# Altium PCB Thermostat_EEM.PCBDOC (part 8 of 10) (continued)
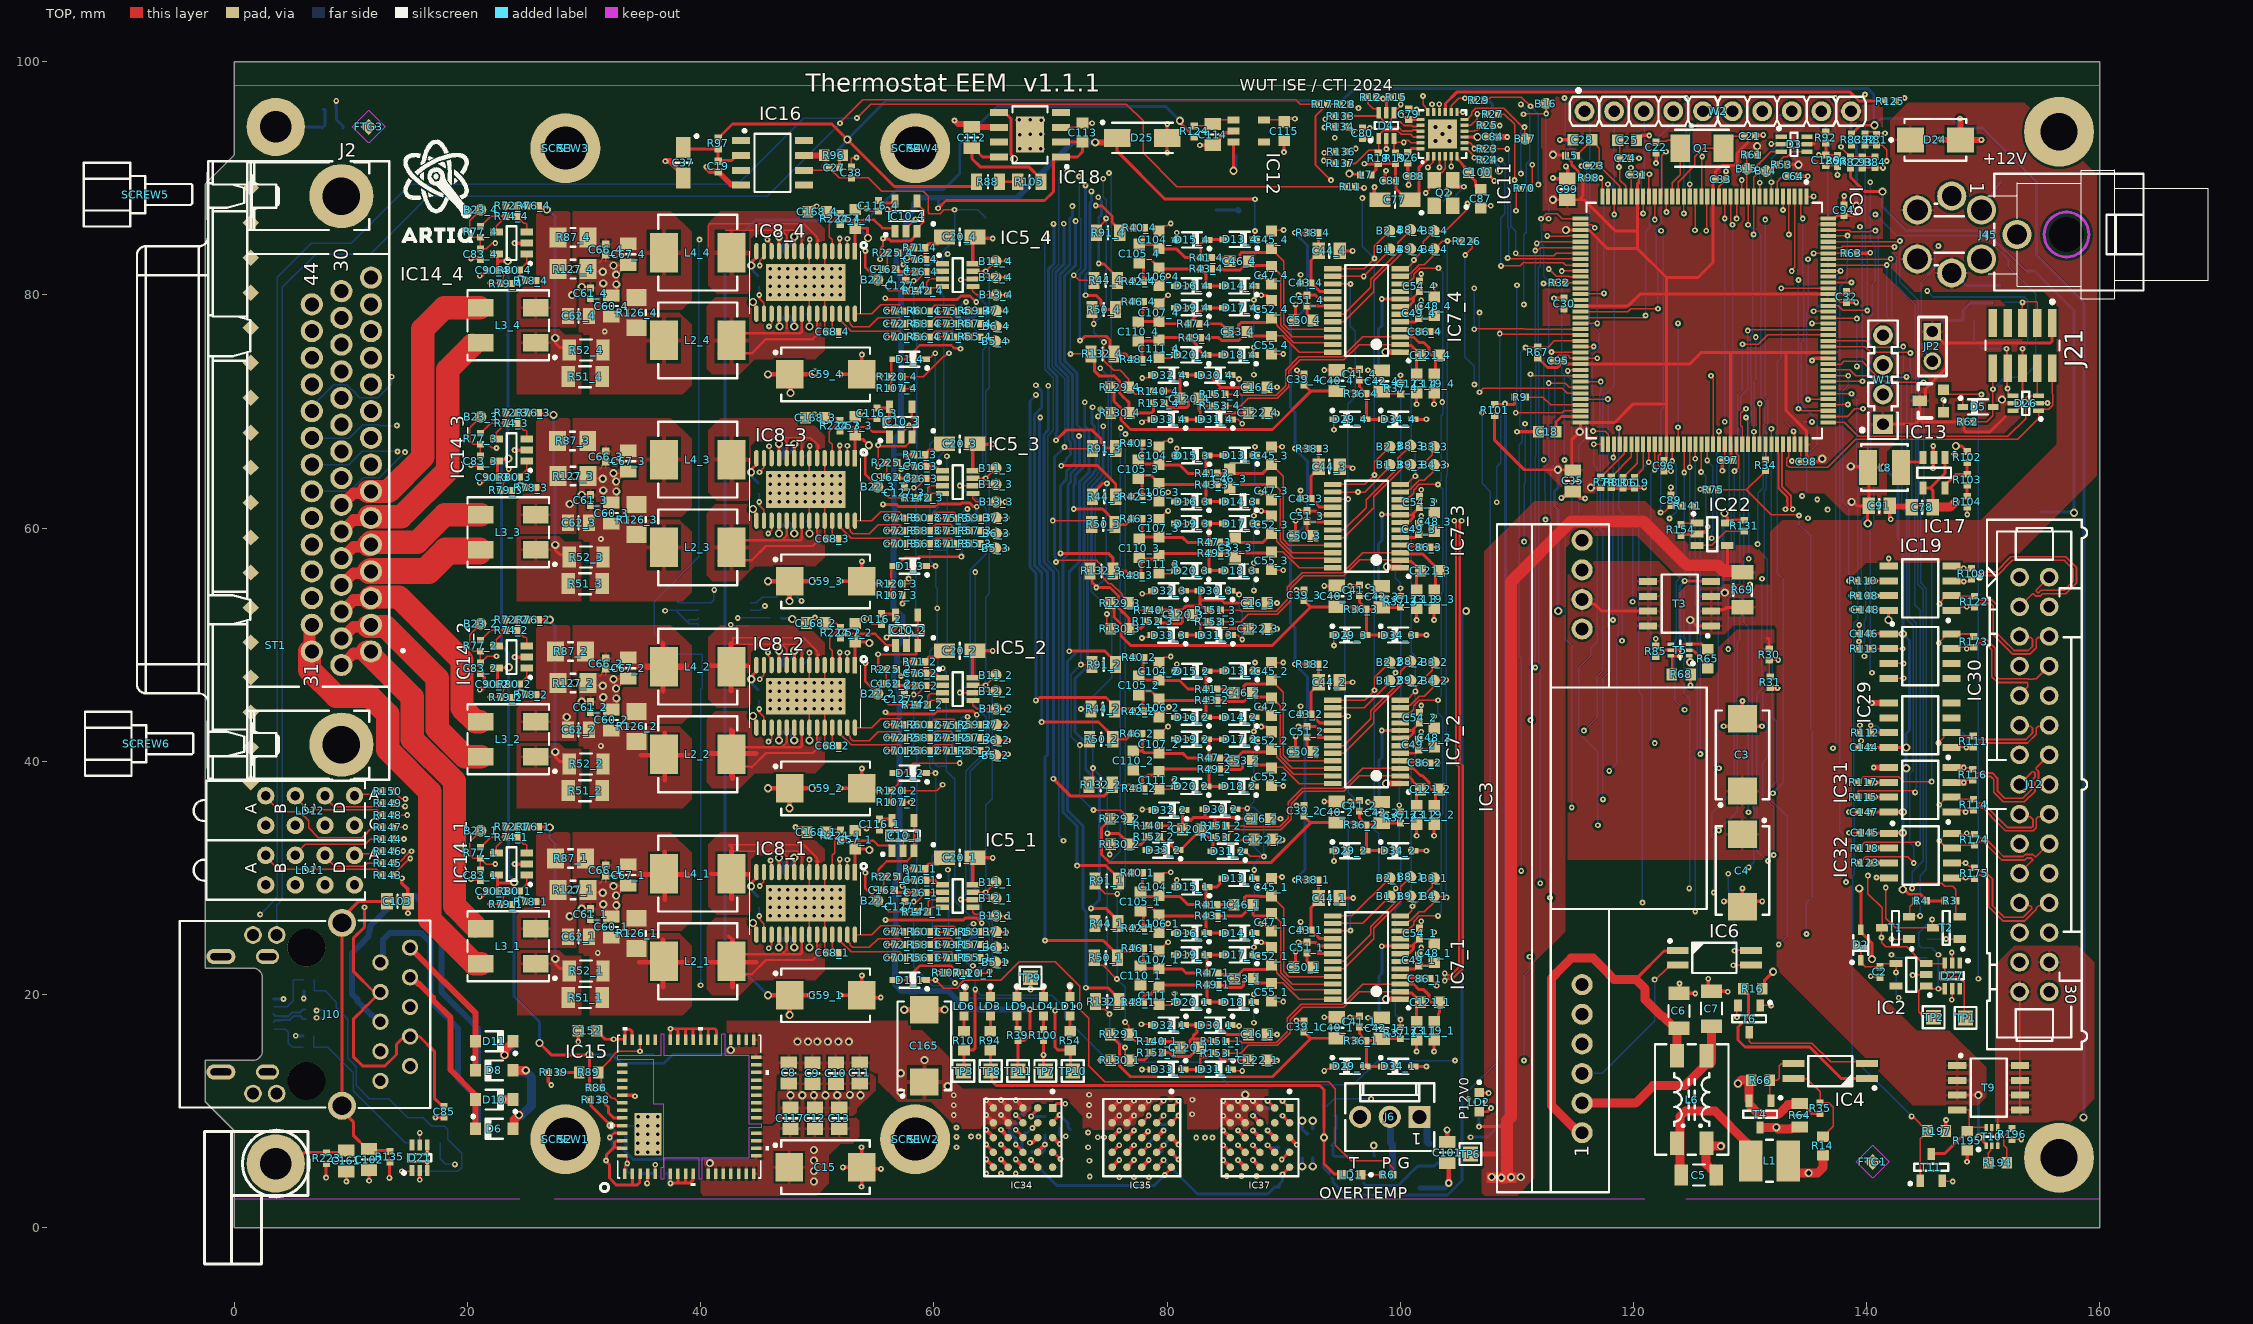
[diagram p0: TOP view]
## Nets (pads, with @x,y where several pads share a name; then routed paths per layer and width w, separated by ;. In a path a pad name is that pad's centre, name@x,y a point inside that pad or via, vN(x,y) a via of type N, cw(c..) or ccw(c..) an arc to the next point about the centre after c; other vN are vias at no path point) (continued)
  TOP w0.35: v1(64.491,5.867) IC34.E5@65.102,5.259 ; v1(65.761,5.867) IC34.D5@66.372,5.259 ; v1(67.031,5.867) IC34.C5@67.642,5.259 ; IC34.A3@70.182,7.799 v1(70.792,7.192) ; IC35.E5@75.29,5.2 v1(75.898,5.81) ; IC35.D5@76.56,5.2 v1(77.168,5.81) ; IC35.C5@77.83,5.2 v1(78.438,5.81) ; IC35.A3@80.37,7.74 v1@80.903,7.21 ; v1(84.817,5.803) IC37.E5@85.428,5.196 ; v1(86.087,5.803) IC37.D5@86.698,5.196 ; v1(87.357,5.803) IC37.C5@87.968,5.196 ; IC37.A3@90.508,7.736 v1(91.118,7.129)
  TOP w0.4: C101.2@104.018,5.553 104.17,5.402 v5@104.17,3.839 ; TP6.1@106.017,6.325 108.203,6.325 108.245,6.282
  TOP w1.016: v2(108.673,4.293) 109.105,4.293 109.156,4.343 109.156,8.652 109.156,9.172 109.498,9.514 109.498,55.424 114.662,60.588 120.819,60.588 124.582,56.825 127.244,56.825 127.742,56.328 129.233,56.328 R69.2@129.35,56.211
  L2 w0.254: v2(109.508,4.34) 110.727,3.121 119.346,3.121 126.994,10.77 146.811,10.77 148.309,9.271 153.294,9.271 153.495,9.472 v2(158.601,9.472)
  L2 w0.5: v2(107.845,4.35) 108.004,4.191 108.721,4.191 108.673,4.239 v2(108.673,4.293)
  L2 w0.889: v2(49.71,6.668) 52.253,6.668 55.649,3.272 ; 75.087,5.171 75.087,4.261 76.076,3.272 107.308,3.272 107.829,3.793 107.829,4.077 107.943,4.191 108.721,4.191 108.721,4.436 v2@108.728,4.443
  BOT w0.254: v2@32.272,8.687 32.959,8 C14.2@33.65,8 33.603,7.953 33.603,6.84 33.438,6.675 33.438,6.635 34.231,5.842 35.822,5.842 35.898,5.918 40.435,5.918 40.791,5.563 v2(40.791,5.549) ; TP4.1@50.427,91 50.427,91.088 52.582,93.243 v2(52.582,93.332) 55.923,96.672 95.003,96.672 95.435,97.104 95.477,97.104 96.069,97.696 140.106,97.696 140.61,97.192 140.61,94.614 v2(140.667,94.556) 141.231,95.12 147.292,95.12 148.107,94.305 149.93,94.305 154.585,89.65 154.585,83.438 158.66,79.364 158.66,9.531 v2(158.601,9.472) ; v1(106.757,8.677) 106.757,9.587 R90.2@106.775,9.605
  BOT w0.3: v2@91.593,5.233 C166.2@91.593,5.953 ; v2(92.503,5.27) C166.2@92.503,5.99
  BOT w0.4: T7.2@101.694,3.407 103.801,3.407 104.165,3.772 v5(104.165,3.834) 104.19,3.859 104.19,4.594 R13.2@104.215,4.619
  other v1: 75.905,4.337 77.168,4.337 78.445,4.337 73.366,4.396 85.126,4.431 86.389,4.431 87.666,4.431 64.491,4.654 65.761,4.654 67.031,4.654 73.341,5.751 80.981,7.132
  other v2: 49.71,3.968 110.336,4.35 49.71,4.868 91.593,5.27 49.71,5.768
P12V0_EEM: J12.28 J12.29 T9.5 T9.6 T9.7 T9.8 T10.4 | length 11.2
  TOP w0.127: T10.4@151.249,8.602 151.249,9.016 151.227,9.038 151.227,9.143 151.249,9.165 151.249,9.633 ; J12.29@153.114,20.238 153.114,10.162 T9.5@153.17,10.107
P12V0_IN: B24.1 D24.1 IC22.5 J4.3 J5.3 J5.4 R69.1 R131.2 T3.1 T3.2 T3.3 T5.1 T9.1 T9.2 T9.3 T10.1 | length 29.5
  TOP w0.254: T5.1@124.79,49.05 124.852,49.05 124.875,49.027 124.833,49.027 124.833,48.546 v2(124.875,48.504) ; v2(124.875,52.124) 124.904,52.124 125.406,51.621 T3.1@126.665,51.621 ; T3.2@126.665,52.891 126.8,53.026 127.821,53.026 128.006,53.211 R69.1@129.35,53.211 ; v2(127.811,61.29) 127.811,61.163 128.05,60.925 IC22.5@128.05,60.431 128.3,60.431 128.56,60.691 R131.2@129.5,60.691 ; T9.3@147.77,11.377 147.771,11.378 v2(149.579,11.379) v2(149.579,11.379) ; v2(149.611,7.738) 149.668,7.738 150.249,7.157 T10.1@150.249,7.022
  BOT w0.254: v2(124.875,48.504) 124.828,48.551 124.828,52.076 v2(124.875,52.124) ; v2@127.698,61.163 127.698,54.601 v2(127.828,54.471) ; J4.3@147.297,81.885 147.462,81.885 148.533,80.814 B24.1@151.465,80.814 ; v2(149.579,11.379) 149.595,11.363 149.595,7.786 149.579,7.77 v2(149.611,7.738)
P12V0_POE: C3.1 C4.1 IC3.8 R30.2 T3.5 T3.6 T3.7 T3.8 T5.4 | length 7.3
  TOP w0.254: IC3.8@115.26,53.485 116.675,53.485 117.269,52.891 T3.7@121.265,52.891 ; 131.442,50.6 131.493,50.6 131.641,50.452 R30.2@131.641,49.633
PC13: IC9.7 W2.9 | length 9.2
  TOP w0.127: IC9.7@131.828,88.444 v1(131.828,89.675)
  BOT w0.127: v1(131.828,89.675) 131.828,91.689 135.894,95.756 W2.9@136.12,95.756
PC14: IC9.8
PC15: IC9.9 W2.8 | length 8.9
  TOP w0.127: IC9.9@130.828,88.444 v1(130.828,89.628)
  BOT w0.127: v1(130.828,89.628) 130.828,91.311 132.264,92.747 132.264,95.184 132.539,95.459 133.283,95.459 W2.8@133.58,95.756
PF9_ADCIN: IC9.21 W2.7 | length 12.7
  TOP w0.127: IC9.21@124.828,88.444 v1(124.828,89.5)
  L2 w0.127: v1(124.981,94.518) 129.802,94.518 W2.7@131.04,95.756
  BOT w0.127: v1(124.828,89.5) 124.828,94.014 124.91,94.096 124.91,94.446 v1(124.981,94.518)
PF10_ADCIN: IC9.22 W2.6 | length 16.1
  TOP w0.127: v1(124.328,86.994) IC9.22@124.328,88.444
  L2 w0.127: v1(124.535,96.888) 125.757,96.888 126.002,97.133 127.123,97.133 W2.6@128.5,95.756
  BOT w0.127: v1(124.328,86.994) 124.328,92.324 124.535,92.531 v1(124.535,96.888)
PF12: IC9.50 W2.2 | length 18
  TOP w0.127: IC9.50@115.453,80.069 115.487,80.103 117.439,80.103 v1(117.474,80.137)
  BOT w0.127: v1(117.474,80.137) 117.474,88.546 118.34,89.413 118.34,90.773 118.318,90.795 118.318,93.273 118.34,93.295 W2.2@118.34,95.756
PF13: IC9.53 W2.4 | length 24.7
  TOP w0.127: IC9.53@115.453,78.569 119.506,78.569 119.756,78.819 v1(122.1,78.819)
  BOT w0.127: v1(122.1,78.819) 122.1,82.223 121.935,82.388 121.935,85.691 122.376,86.132 122.376,91.572 121.935,92.013 121.935,93.301 123.42,94.786 W2.4@123.42,95.756
PF14: IC9.54 W2.3 | length 23.7
  TOP w0.127: IC9.54@115.453,78.069 120.872,78.069 v1(121.042,78.239)
  BOT w0.127: W2.3@120.88,95.756 120.918,95.718 120.918,90.729 120.678,90.488 120.678,89.172 121.387,88.462 121.387,85.827 121.042,85.482 v1(121.042,78.239)
PF15: IC9.55 W2.1 | length 20.1
  TOP w0.127: IC9.55@115.453,77.569 v1(116.891,77.569)
  BOT w0.127: W2.1@115.8,95.756 115.8,95.265 116.243,94.822 116.243,85.588 116.891,84.941 v1(116.891,77.569)
PHY_RD_N: D4.1 IC11.22 R18.2 R137.1 | length 8.8
  TOP w0.152: R137.1@95.369,91.285 96.17,91.285 97.294,92.409 97.892,92.409 R18.2@98.106,92.195 98.16,92.249 98.16,93.705 98.406,93.952 98.406,93.989 98.525,94.108 99.744,94.108 100.073,93.779 100.9,93.779 101.129,93.55 IC11.22@101.72,93.55
PHY_RD_P: D4.3 IC11.23 R19.2 R136.1 | length 9
  TOP w0.152: R136.1@95.399,92.3 95.399,92.32 95.613,92.534 95.686,92.534 95.702,92.55 v1@96.149,92.55 ; 99.46,92.926 D4.3@99.46,93.43 ; R19.2@99.59,92.195 99.46,92.325 99.46,92.848 99.506,92.895 99.506,92.926 99.597,93.017 99.671,93.091 100.262,93.091 100.303,93.05 100.337,93.05 100.566,93.279 100.693,93.279 100.921,93.05 IC11.23@101.72,93.05
  L2 w0.152: v1(96.19,92.55) 97.976,92.55 98.517,93.091 v1(100.303,93.091)
PHY_TD_N: D4.4 IC11.20 R15.1 R134.1 | length 11.9
  TOP w0.152: R134.1@95.473,94.569 R134.1@95.339,94.435 95.339,94.415 95.553,94.201 95.573,94.201 95.638,94.136 95.865,94.136 v1(95.931,94.069) ; v1(100.043,96.345) 100.043,96.869 100.043,96.889 R15.1@100.106,96.952 100.106,96.889 100.106,96.345 99.976,96.215 99.976,96.146 99.799,95.969 99.583,95.969 99.46,95.846 99.46,95.355 99.22,95.116 99.22,94.952 99.31,94.863 99.998,94.863 100.326,94.536 101.025,94.536 101.121,94.44 101.404,94.44 101.515,94.55 IC11.20@101.72,94.55
  L2 w0.152: v1(95.931,94.069) 98.206,96.345 v1(100.043,96.345)
PHY_TD_P: D4.6 IC11.21 R12.1 R133.1 | length 9.3
  TOP w0.152: R133.1@95.369,95.335 95.389,95.355 D4.6@98.16,95.355 ; R12.1@97.021,96.96 97.234,96.747 97.234,96.409 97.674,95.969 98.036,95.969 98.16,95.846 D4.6@98.16,95.355 ; IC11.21@101.72,94.05 101.515,94.05 101.404,94.16 101.124,94.16 101.025,94.061 100.187,94.061 99.859,94.388 99.09,94.388 98.406,95.071 98.406,95.108 D4.6@98.16,95.355
PN_1: C62_1.1 C63_1.2 IC8_1.14 L3_1.2 R78_1.1 R87_1.2 R127_1.2 | length 18.8
  TOP w0.254: v2(44.327,29.286) 44.305,29.308 44.305,29.518 44.782,29.995 IC8_1.14@44.782,30.505
  L2 w0.254: v2(28.776,26.716) 34.317,26.716 36.895,29.294 v2@44.298,29.294
  BOT w0.254: v2@44.345,28.974 C63_1.2@44.925,28.394
PN_2: C62_2.1 C63_2.2 IC8_2.14 L3_2.2 R78_2.1 R87_2.2 R127_2.2 | length 19.1
  TOP w0.254: v2(44.345,47.043) 44.43,47.128 44.43,47.359 IC8_2.14@44.758,47.687
  L2 w0.254: v2(28.515,43.813) 33.426,43.813 36.657,47.044 v2@44.298,47.044
  BOT w0.254: v2(44.345,47.043) 44.345,46.724 C63_2.2@44.925,46.144
PN_3: C62_3.1 C63_3.2 IC8_3.14 L3_3.2 R78_3.1 R87_3.2 R127_3.2 | length 19
  TOP w0.254: v2@44.398,64.948 44.412,64.962 44.412,65.091 44.782,65.461 IC8_3.14@44.782,66.005
  L2 w0.254: v2(28.777,62.078) 41.611,62.078 v2(44.327,64.794)
  BOT w0.254: v2@44.218,64.794 v2(44.327,64.794) ; v2@44.398,64.719 44.412,64.705 44.412,64.406 C63_3.2@44.925,63.894
PN_4: C62_4.1 C63_4.2 IC8_4.14 L3_4.2 R78_4.1 R87_4.2 R127_4.2 | length 18.5
  TOP w0.254: v2@44.314,82.626 44.344,82.596 v2(44.344,82.532) ; v2@44.345,82.808 44.782,83.245 IC8_4.14@44.782,83.755
  L2 w0.254: v2(28.98,79.985) 41.797,79.985 v2(44.344,82.532)
  BOT w0.254: v2@44.345,82.224 C63_4.2@44.925,81.644
PNS_1: C66_1.1 C67_1.2 L4_1.2 R87_1.1 R126_1.2 | length 13.2
  TOP w0.203: R87_1.1@30.576,31.216 R87_1.1@30.576,32.216
  TOP w0.254: 34.752,30.251 34.846,30.345 38.701,30.345
  TOP w0.4: 34.881,30.302 38.972,30.302 ; 36.926,28.14 36.926,32.23
PNS_2: C66_2.1 C67_2.2 L4_2.2 R87_2.1 R126_2.2 | length 12.8
  TOP w0.203: R87_2.1@30.576,48.966 R87_2.1@30.576,49.966
  TOP w0.254: 35.25,48.102 35.409,47.944 38.792,47.944
  TOP w0.4: 34.728,48.204 38.819,48.204 ; 36.774,46.042 36.774,50.133
PNS_3: C66_3.1 C67_3.2 L4_3.2 R87_3.1 R126_3.2 | length 1
  TOP w0.203: R87_3.1@30.751,67.02 R87_3.1@30.751,68.02
PNS_4: C66_4.1 C67_4.2 L4_4.2 R87_4.1 R126_4.2
POE_IN1: D7.2 D23.1 J10.5 | length 32.1
  BOT w0.508: J10.5@12.539,17.675 12.381,17.675 11.795,18.261 11.73,18.261 10.585,19.406 10.585,19.563 10.085,20.063 10.085,23.564 10.716,24.196 ccw(c9.239,26.155) 11.198,24.678 11.52,24.999 11.52,25.25 ccw(c9.239,26.155) 11.677,25.877 14.277,28.477 15.523,28.477 17.787,26.213 17.787,20.213 20.9,17.1 D7.2@20.9,16 D23.1@20.9,13.5
POE_IN2: D6.1 D10.2 J10.8 | length 15.5
  TOP w0.508: J10.8@15.079,21.485 15.237,21.485 15.823,20.899 15.888,20.899 17.033,19.754 17.033,19.531 18.556,18.008 18.556,13.529 20.483,11.603 20.483,11.584 20.694,11.372 20.694,11.286 20.9,11.08 D10.2@20.9,11 ; D6.1@20.682,8.518 D10.2@20.682,10.982
POE_IN3: D8.1 D11.2 J10.10 | length 12.9
  TOP w0.508: J10.10@15.079,24.025 20.7,18.404 D8.1@20.7,13.5
POE_IN4: D9.1 D22.2 J10.9 | length 24.4
  BOT w0.508: J10.9@12.539,22.755 12.71,22.926 12.71,23.452 12.756,23.499 12.756,24.712 13.315,25.271 16.048,25.271 16.843,24.477 16.843,19.945 17.033,19.754 17.033,19.255 19.187,17.1 19.187,12.793 20.9,11.08 D22.2@20.9,11 D9.1@20.9,8.5
POE_PWR_SRC: IC9.12 R30.1 R31.2 | length 64
  TOP w0.127: v1(129.291,89.852) 129.31,89.833 129.31,88.462 IC9.12@129.328,88.444 ; R31.2@131.734,47.256 131.641,47.349 R30.1@131.641,48.693 v1(132.419,48.693)
  L2 w0.127: v1(129.291,89.852) 130.429,89.852 130.693,90.115 134.397,90.115 134.837,89.675 v1(140.305,89.675) ; v1(132.419,48.693) 139.416,48.693 139.743,49.02 v1(139.802,49.02)
  BOT w0.127: v1(139.802,49.02) 139.802,52.089 139.905,52.191 139.905,55.159 139.549,55.515 139.549,60.626 140.106,61.182 140.106,69.954 140.127,69.975 140.127,70.903 140.106,70.924 140.106,77.929 140.491,78.315 140.491,80.936 140.745,81.19 140.745,84.243 140.305,84.683 v1(140.305,89.675)
POE_VC+: D7.1 D10.1 D11.1 D22.1 L1.1 R14.2 | length 135
  TOP w0.762: v2(23,11) D10.1@23.812,11 ; v2(23.18,14.82) 23.18,15.212 23.808,15.841 23.821,15.841 23.9,15.92 D11.1@23.9,15.933 ; L1.1@133.247,5.283 133.831,4.699 134.862,4.699 v2(135.025,4.699) 135.804,4.699 136.25,5.145 R14.2@136.25,6.222
  L2 w0.762: v2(23.18,14.82) 22.784,14.425 22.784,11.216 v2(23,11) 22.796,10.796 22.796,6.204 25.069,3.931 25.093,3.931 25.931,3.093 25.931,1.976 26.838,1.069 121.546,1.069 122.727,2.25 122.727,2.75 123.976,4 134.148,4 v2@134.847,4.699
  BOT w0.762: v2(23,11) D22.1@24.1,11 ; v2(23.18,14.82) 23.18,15 24.021,15.841 24.021,15.921 D7.1@24.1,16
POE_VC-: D6.2 D8.2 D9.2 D23.2 R35.1 R64.1 R66.1 T4.2 | length 19.3
  TOP w0.254: D8.2@24.1,13.42 D8.2@24.1,13.5 ; R64.1@134.263,10.652 134.488,10.652 134.836,10.304 134.836,10.247 135.303,9.78 R35.1@136,9.78
  TOP w0.762: D6.2@23.9,8.5 23.979,8.579 23.979,9.229 v2(24.427,9.677) ; D8.2@24.1,13.5 v2(25,13.5) ; v2(128.966,12.377) 129.252,12.663 130.017,12.663 130.083,12.597 129.915,12.43 T4.2@129.915,10.9 ; T4.2@130,10.5 130.746,9.754 132.46,9.754 133.264,10.558 133.944,10.558 134.038,10.652 R64.1@134.263,10.652
  BOT w0.762: D9.2@24,8.5 24,9.25 v2(24.427,9.677) 24.677,9.677 25.5,10.5 25.5,12.895 v2@25.054,13.341 ; D23.2@24.1,13.5 24.1,13.42 24.179,13.341 v2@25,13.341
PP_1: C60_1.1 C61_1.2 C62_1.2 C63_1.1 IC8_1.16 L2_1.2 R51_1.2 R52_1.2 R126_1.1 | length 26.5
  TOP w0.127: v1(45.025,26.744) 45.025,26.67 44.925,26.57 45.432,26.063 IC8_1.16@45.432,25.145
  TOP w0.4: 34.728,22.781 38.819,22.781 ; 36.774,20.619 36.774,24.71
  L2 w0.127: v1(31.18,23.578) 31.879,24.276 43.381,24.276 45.025,25.92 v1(45.025,26.744)
  BOT w0.127: C63_1.1@44.925,27.494 45.025,27.394 v1(45.025,26.744)
PP_2: C60_2.1 C61_2.2 C62_2.2 C63_2.1 IC8_2.16 L2_2.2 R51_2.2 R52_2.2 R126_2.1 | length 29.9
  TOP w0.127: 35.002,40.694 35.165,40.531 38.657,40.531 ; v1(45.025,44.494) 45.025,44.42 44.925,44.32 45.432,43.813 IC8_2.16@45.432,42.895
  TOP w0.4: 34.881,40.531 38.972,40.531 ; 36.926,38.369 36.926,42.46
  L2 w0.127: v1(31.441,41.328) 32.14,42.026 43.381,42.026 45.025,43.67 v1(45.025,44.494)
  BOT w0.127: C63_2.1@44.925,45.244 45.025,45.144 v1(45.025,44.494)
PP_3: C60_3.1 C61_3.2 C62_3.2 C63_3.1 IC8_3.16 L2_3.2 R51_3.2 R52_3.2 R126_3.1 | length 18
  TOP w0.127: v1(45.025,62.244) 45.025,62.17 44.925,62.07 45.432,61.563 IC8_3.16@45.432,60.645
  L2 w0.127: v1(31.441,59.078) 42.683,59.078 45.025,61.42 v1(45.025,62.244)
  BOT w0.127: C63_3.1@44.925,62.994 45.025,62.894 v1(45.025,62.244)
PP_4: C60_4.1 C61_4.2 C62_4.2 C63_4.1 IC8_4.16 L2_4.2 R51_4.2 R52_4.2 R126_4.1 | length 17.7
  TOP w0.127: v1(45.025,79.994) 45.025,79.92 44.925,79.82 45.432,79.313 IC8_4.16@45.432,78.395
  L2 w0.127: v1(31.773,76.867) 42.722,76.867 45.025,79.17 v1(45.025,79.994)
  BOT w0.127: C63_4.1@44.925,80.744 45.025,80.644 v1(45.025,79.994)
PPS_1: IC8_1.15 L3_1.1 R51_1.1 R52_1.1 R76_1.1 | length 33.3
  TOP w0.254: R76_1.1@26.098,34.404 26.135,34.367 27.02,34.367 v2(27.056,34.33) ; v2(27.525,23.066) 27.567,23.024 27.567,22.583 27.914,22.236 28.515,22.236 R52_1.1@28.722,22.029 ; v2@44.57,25.901 44.782,25.689 IC8_1.15@44.782,25.145
  L2 w0.254: v2@27.333,23.024 29.16,23.024 31.18,25.044 43.384,25.044 v2(44.484,26.144)
  BOT w0.254: v2(27.056,34.33) 27.056,33.414 27.526,32.944 v2@27.526,23.402
PPS_2: IC8_2.15 L3_2.1 R51_2.1 R52_2.1 R76_2.1 | length 33.3
  TOP w0.254: R76_2.1@26.098,52.154 v2(27.056,52.154) ; v2(27.525,40.816) 27.567,40.774 27.567,40.333 27.914,39.986 28.515,39.986 R52_2.1@28.722,39.779 ; v2@44.57,43.651 44.782,43.439 IC8_2.15@44.782,42.895
  L2 w0.254: v2@27.333,40.774 29.16,40.774 31.18,42.794 43.384,42.794 v2(44.484,43.894)
  BOT w0.254: v2(27.056,52.154) 27.056,52.06 27.526,51.59 v2@27.526,41.152
PPS_3: IC8_3.15 L3_3.1 R51_3.1 R52_3.1 R76_3.1 | length 33.4
  TOP w0.254: R76_3.1@26.098,69.904 26.2,69.801 27.291,69.801 v2(27.376,69.716) ; v2(27.525,58.566) 27.567,58.524 27.567,58.083 27.914,57.736 28.515,57.736 R52_3.1@28.722,57.529 ; v2@44.57,61.401 44.782,61.189 IC8_3.15@44.782,60.645
  L2 w0.254: v2@27.333,58.524 27.483,58.524 30.602,61.644 v2(44.484,61.644)
  BOT w0.254: v2(27.376,69.716) 27.376,64.324 27.526,64.174 v2@27.526,58.902
PPS_4: IC8_4.15 L3_4.1 R51_4.1 R52_4.1 R76_4.1 | length 33
  TOP w0.254: R76_4.1@26.098,87.654 26.098,87.646 26.261,87.483 26.722,87.483 v2@26.807,87.398 ; v2(27.525,76.316) 27.567,76.274 27.567,75.833 27.914,75.486 28.515,75.486 R52_4.1@28.722,75.279 ; v2@44.57,79.151 44.782,78.939 IC8_4.15@44.782,78.395
  L2 w0.254: v2@27.333,76.274 27.483,76.274 30.602,79.394 v2(44.484,79.394)
  BOT w0.254: v2@26.807,87.398 27.526,86.679 v2@27.526,76.652
  other v2: 26.807,87.323
PWM_maxINeg0: B5_1.1 IC9.96 R55_1.1 | length 105.1
  TOP w0.127: R55_1.1@63.965,23.157 64.678,23.157 65.057,22.778 B5_1.1@65.275,22.778 65.291,22.793 66.124,22.793 v1(66.14,22.809) ; v1(128.665,64.897) 128.7,64.897 129.028,65.225 129.028,66.207 128.917,66.319 128.902,66.319 128.828,66.393 IC9.96@128.828,67.194
  L2 w0.127: v1(66.14,22.809) 97.446,22.809 97.88,23.243 107.015,23.243 111.153,27.381 120.891,27.381 121.229,27.72 125.859,27.72 v1(126.887,28.748)
  BOT w0.127: v1(126.887,28.748) 126.887,33.318 126.706,33.5 126.706,35.558 128.656,37.508 128.656,51.112 128.665,51.121 v1(128.665,64.897)
PWM_maxINeg1: B5_2.1 IC9.135 R55_2.1 | length 115.8
  TOP w0.127: R55_2.1@63.965,40.907 64.678,40.907 65.057,40.528 B5_2.1@65.275,40.528 65.315,40.567 66.317,40.567 v1(66.357,40.607) ; IC9.135@136.703,82.069 v1(137.768,82.067)
  L2 w0.127: v1(66.357,40.607) 66.704,40.954 121.899,40.954 122.067,41.123 v1(137.108,41.123)
  BOT w0.127: v1(137.108,41.123) 137.353,41.367 137.353,81.652 v1(137.768,82.067)
PWM_maxINeg2: B5_3.1 IC9.98 R55_3.1 | length 78.9
  TOP w0.127: R55_3.1@63.965,58.657 64.678,58.657 65.057,58.278 B5_3.1@65.275,58.278 65.299,58.254 66.23,58.254 v1(66.254,58.23) ; v1(129.648,69.5) 129.74,69.5 129.814,69.426 129.814,67.207 IC9.98@129.828,67.194
  L2 w0.127: v1(66.254,58.23) 66.874,58.85 v1(110.625,58.85) ; v1(110.7,68.958) 111.304,69.562 129.587,69.562 v1(129.648,69.5)
  BOT w0.127: v1(110.625,58.85) 110.625,63.831 110.7,63.906 v1(110.7,68.958)
PWM_maxINeg3: B5_4.1 IC9.99 R55_4.1 | length 76.3
  TOP w0.127: R55_4.1@63.965,76.407 64.678,76.407 65.057,76.028 v1(66.248,76.028) ; IC9.99@130.328,67.194 v1(130.328,68.269)
  L2 w0.127: v1(66.248,76.028) 66.759,76.539 102.518,76.539 102.812,76.245 130.254,76.245 130.395,76.386 v1(130.496,76.386)
  BOT w0.127: v1(130.328,68.269) 130.328,69.046 130.343,69.061 130.343,72.596 130.496,72.749 v1(130.496,76.386)
PWM_maxIPos0: B6_1.1 IC9.81 R57_1.1 | length 99.3
  TOP w0.127: R57_1.1@63.995,24.286 63.995,24.276 64.221,24.05 B6_1.1@65.337,24.05 65.374,24.014 66.18,24.014 v1(66.216,23.978) ; IC9.81@121.233,67.107 121.318,67.021 121.318,65.668 v1(121.309,65.659)
  L2 w0.127: v1(66.216,23.978) 81.738,23.978 82.475,23.241 96.884,23.241 98.84,25.197 101.217,25.197 101.674,24.74 107.072,24.74 110.196,27.864 120.75,27.864 v1(120.776,27.889)
  BOT w0.127: v1(120.776,27.889) 120.776,45.651 120.475,45.952 120.475,64.825 v1(121.309,65.659)
PWM_maxIPos1: B6_2.1 IC9.82 R57_2.1 | length 84.1
  TOP w0.127: R57_2.1@63.995,42.036 63.995,42.026 64.221,41.8 v1(66.357,41.8) ; v1(121.828,65.011) IC9.82@121.828,67.194
  L2 w0.127: v1(66.357,41.8) 66.392,41.835 81.135,41.835 81.527,41.443 121.601,41.443 121.727,41.569 v1(121.828,41.569)
  BOT w0.127: v1(121.828,41.569) 121.475,41.922 121.475,64.658 v1(121.828,65.011)
PWM_maxIPos2: B6_3.1 IC9.85 R57_3.1 | length 66.5
  TOP w0.127: R57_3.1@63.995,59.786 63.995,59.776 64.221,59.55 B6_3.1@65.337,59.55 65.368,59.519 66.223,59.519 v1(66.254,59.489) ; v1(123.328,65.75) IC9.85@123.328,67.194
  L2 w0.127: v1(66.254,59.489) 66.708,59.943 112.645,59.943 113.534,60.833 v1(123.087,60.833)
  BOT w0.127: v1(123.087,60.833) 123.651,61.397 123.651,65.427 v1(123.328,65.75)
PWM_maxIPos3: B6_4.1 IC9.86 R57_4.1 | length 70.9
  TOP w0.127: R57_4.1@63.995,77.536 63.995,77.526 64.221,77.3 B6_4.1@65.337,77.3 65.346,77.309 66.208,77.309 v1(66.216,77.318) ; IC9.86@123.828,67.194 v1(123.828,68.661)
  L2 w0.127: v1(66.216,77.318) 73.297,77.318 73.53,77.084 89.865,77.084 90.29,77.509 106.648,77.509 107.029,77.128 123.387,77.128 v1(123.828,77.569)
  BOT w0.127: v1(123.828,68.661) v1(123.828,77.569)
PWM_maxV0: B7_1.1 IC9.60 R59_1.1 | length 99.8
  TOP w0.127: R59_1.1@63.995,25.383 64.008,25.395 B7_1.1@65.337,25.395 65.373,25.359 66.181,25.359 v1(66.216,25.324) ; v1(112.978,75.108) 114.464,75.108 114.503,75.069 IC9.60@115.453,75.069
  L2 w0.127: v1(66.216,25.324) 79.958,25.324 80.357,25.722 87.74,25.722 87.844,25.618 95.227,25.618 96.029,26.42 101.305,26.42 102.783,27.897 104.16,27.897 104.567,28.304 v1(112.851,28.304)
  BOT w0.127: v1(112.851,28.304) 112.894,28.347 112.894,65.152 113.257,65.516 113.257,73.584 112.978,73.863 v1(112.978,75.108)
PWM_maxV1: B7_2.1 IC9.64 R59_2.1 | length 81.6
  TOP w0.127: R59_2.1@63.995,43.133 64.008,43.145 B7_2.1@65.337,43.145 65.356,43.126 66.235,43.126 v1(66.254,43.108) ; v1(111.174,73.203) 111.324,73.054 114.546,73.054 114.561,73.069 IC9.64@115.453,73.069
  L2 w0.127: v1(66.254,43.108) 68.881,43.108 69.06,42.929 74.421,42.929 74.916,43.424 81.321,43.424 81.404,43.341 87.808,43.341 87.891,43.424 103.085,43.424 103.196,43.536 v1(111.174,43.536)
  BOT w0.127: v1(111.174,43.536) 111.132,43.578 111.132,58.365 111.174,58.408 v1(111.174,73.203)
PWM_maxV2: B7_3.1 IC9.66 R59_3.1 | length 63.9
  TOP w0.127: R59_3.1@63.995,60.883 64.008,60.895 v1(66.252,60.895) ; v1(112.743,72.441) 114.137,72.441 114.509,72.069 IC9.66@115.453,72.069
  L2 w0.127: v1(66.252,60.895) 69.818,60.895 70.012,61.09 79.866,61.09 80.132,60.824 87.062,60.824 87.682,60.204 111.923,60.204 v1(112.453,60.734)
  BOT w0.127: v1(112.453,60.734) 112.453,63.04 112.374,63.119 112.374,65.324 112.743,65.693 v1(112.743,72.441)
PWM_maxV3: B7_4.1 IC9.67 R59_4.1 | length 58.7
  TOP w0.127: R59_4.1@63.995,78.633 64.008,78.645 v1(66.151,78.645) ; v1(106.795,71.661) 107.134,72.001 113.886,72.001 114.318,71.569 IC9.67@115.453,71.569
  L2 w0.127: v1(66.151,78.645) 81.325,78.645 81.527,78.443 106.749,78.443 v1(106.795,78.489)
  BOT w0.127: v1(106.795,71.661) v1(106.795,78.489)
RD_N: J10.6 R137.2 | length 190.9
  TOP w0.152: v1(93.433,91.524) 93.511,91.524 93.696,91.71 93.912,91.71 93.914,91.708 94.077,91.708 94.215,91.57 94.215,91.499 R137.2@94.429,91.285
  L2 w0.127: J10.6@15.079,18.945 15.079,17.721 13.907,16.549 13.907,14.356 13.137,13.586 10.895,13.586 10.022,14.459 9.94,14.541 9.94,23.296 13.067,26.423 13.067,36.632 12.255,37.445 11.368,38.332 6.422,38.332 4.551,40.202 3.26,41.493 3.26,62.365 2.925,62.7 2.646,62.979 2.646,86.266 10.209,93.829 24.704,93.829 26.592,95.717 32.187,95.717 32.971,94.932 50.389,94.932 51.524,96.068 88.808,96.068 90.062,94.814 90.161,94.715 91.771,93.105 94.086,93.105 94.291,92.9 94.291,91.992 94.02,91.72 93.694,91.72 93.498,91.524 v1(93.433,91.524)
RD_P: J10.3 R136.2 | length 186.7
  TOP w0.152: v1@93.365,92.309 93.421,92.309 93.741,91.989 94.028,91.989 94.03,91.987 94.166,91.987 94.459,92.28 R136.2@94.459,92.3
  L2 w0.127: J10.3@12.539,15.135 13.473,16.069 13.579,16.069 13.653,15.995 13.653,14.497 13.021,13.865 11.011,13.865 10.219,14.656 10.219,23.18 13.347,26.308 13.347,36.747 11.483,38.611 6.537,38.611 3.54,41.609 3.54,62.48 2.925,63.095 2.925,86.15 10.325,93.55 24.82,93.55 26.708,95.438 32.071,95.438 32.856,94.653 50.505,94.653 51.64,95.788 88.692,95.788 91.655,92.825 93.853,92.825 94.012,92.666 94.012,92.107 93.904,92 93.739,92 93.542,92.196 v1(93.478,92.196)
RDYn: IC9.112 R226.2 | length 47.4
  TOP w0.127: v1(105.582,83.435) 106.195,84.048 R226.2@106.195,84.628 ; IC9.112@136.703,70.569 137.913,70.569 137.953,70.608 v1(138.393,70.608)
  L2 w0.127: v1(106.354,72.322) 107.345,72.322 107.667,72 107.712,71.955 135.59,71.955 136.936,70.608 v1(138.393,70.608)
  BOT w0.127: v1(105.582,83.435) 105.543,83.396 105.543,74.694 106.354,73.882 v1(106.354,72.322)
REF+_1: C119_1.1 C121_1.2 IC7_1.3 R151_1.2 | length 23.8
  TOP w0.127: R151_1.2@85.059,15.981 86.324,15.981 86.415,15.89 89.361,15.89 90.294,16.823 90.294,17.952 91.525,19.183 95.05,19.183 96.765,20.898 IC7_1.3@100.021,20.898
  TOP w0.254: IC7_1.3@100.021,20.898 101.143,20.898 101.618,20.424 102.007,20.424 102.482,19.949 102.482,19.493 102.63,19.344 C121_1.2@103.353,19.344 103.353,18.463 103.276,18.386 103.276,18.054 102.928,17.706 C119_1.1@102.903,17.706
REF+_2: C119_2.1 C121_2.2 IC7_2.3 R151_2.2 | length 23.8
  TOP w0.127: R151_2.2@85.059,34.481 86.62,34.481 86.71,34.39 89.656,34.39 90.398,35.132 90.398,36.493 91.587,37.683 95.05,37.683 96.765,39.398 IC7_2.3@100.021,39.398
  TOP w0.254: IC7_2.3@100.021,39.398 101.143,39.398 101.743,38.799 101.882,38.799 102.482,38.199 102.482,37.743 102.63,37.594 C121_2.2@103.353,37.594 103.005,37.246 103.005,36.308 C119_2.1@102.903,36.206
REF+_3: C119_3.1 C121_3.2 IC7_3.3 R151_3.2 | length 24.2
  TOP w0.127: R151_3.2@84.589,52.981 86.324,52.981 86.415,52.89 89.361,52.89 90.325,53.855 90.325,54.921 91.587,56.183 95.05,56.183 96.765,57.898 IC7_3.3@100.021,57.898 ; C121_3.2@103.005,56.717 103.353,56.369 C121_3.2@103.353,56.344
  TOP w0.254: IC7_3.3@100.021,57.898 100.115,57.804 101.917,57.804 103.005,56.717 103.005,54.808 C119_3.1@102.903,54.706
REF+_4: C119_4.1 C121_4.2 IC7_4.3 R151_4.2 | length 24
  TOP w0.127: R151_4.2@84.998,71.481 86.324,71.481 86.415,71.39 89.361,71.39 90.185,72.214 90.185,73.561 91.306,74.683 95.05,74.683 96.765,76.398 IC7_4.3@100.021,76.398
  TOP w0.254: IC7_4.3@100.021,76.398 101.143,76.398 101.618,75.924 102.007,75.924 102.482,75.449 102.482,74.993 102.63,74.844 C121_4.2@103.353,74.844 103.005,74.496 103.005,73.308 C119_4.1@102.903,73.206
REF-_1: C121_1.1 C123_1.2 IC7_1.2 R153_1.2 | length 21.7
  TOP w0.127: R153_1.2@85.059,14.981 86.324,14.981 86.98,15.636 89.466,15.636 90.548,16.718 90.548,17.847 91.63,18.929 95.155,18.929 96.474,20.248 IC7_1.2@100.021,20.248
  TOP w0.254: IC7_1.2@100.021,20.248 100.119,20.15 100.971,20.15 101.753,19.369 101.753,19.319 101.403,18.969 C123_1.2@101.403,17.706
REF-_2: C121_2.1 C123_2.2 IC7_2.2 R153_2.2 | length 21.8
  TOP w0.127: R153_2.2@85.059,33.481 85.059,33.501 85.694,34.136 89.762,34.136 90.652,35.026 90.652,36.388 91.693,37.429 95.155,37.429 96.474,38.748 IC7_2.2@100.021,38.748
  TOP w0.254: IC7_2.2@100.021,38.748 100.119,38.65 100.803,38.65 101.045,38.408 101.045,38.326 101.753,37.619 101.753,37.569 101.403,37.219 C123_2.2@101.403,36.206
REF-_3: C121_3.1 C123_3.2 IC7_3.2 R153_3.2 | length 22.2
  TOP w0.127: R153_3.2@84.589,51.981 86.324,51.981 86.98,52.636 89.466,52.636 90.579,53.749 90.579,54.816 91.693,55.929 95.155,55.929 96.517,57.291 98.96,57.291 99.003,57.248 IC7_3.2@100.021,57.248
  TOP w0.254: IC7_3.2@100.021,57.248 100.119,57.15 100.971,57.15 101.753,56.369 101.753,56.319 101.403,55.969 C123_3.2@101.403,54.706